# Allegro board SSOM_K1_Layout.brd (continued)
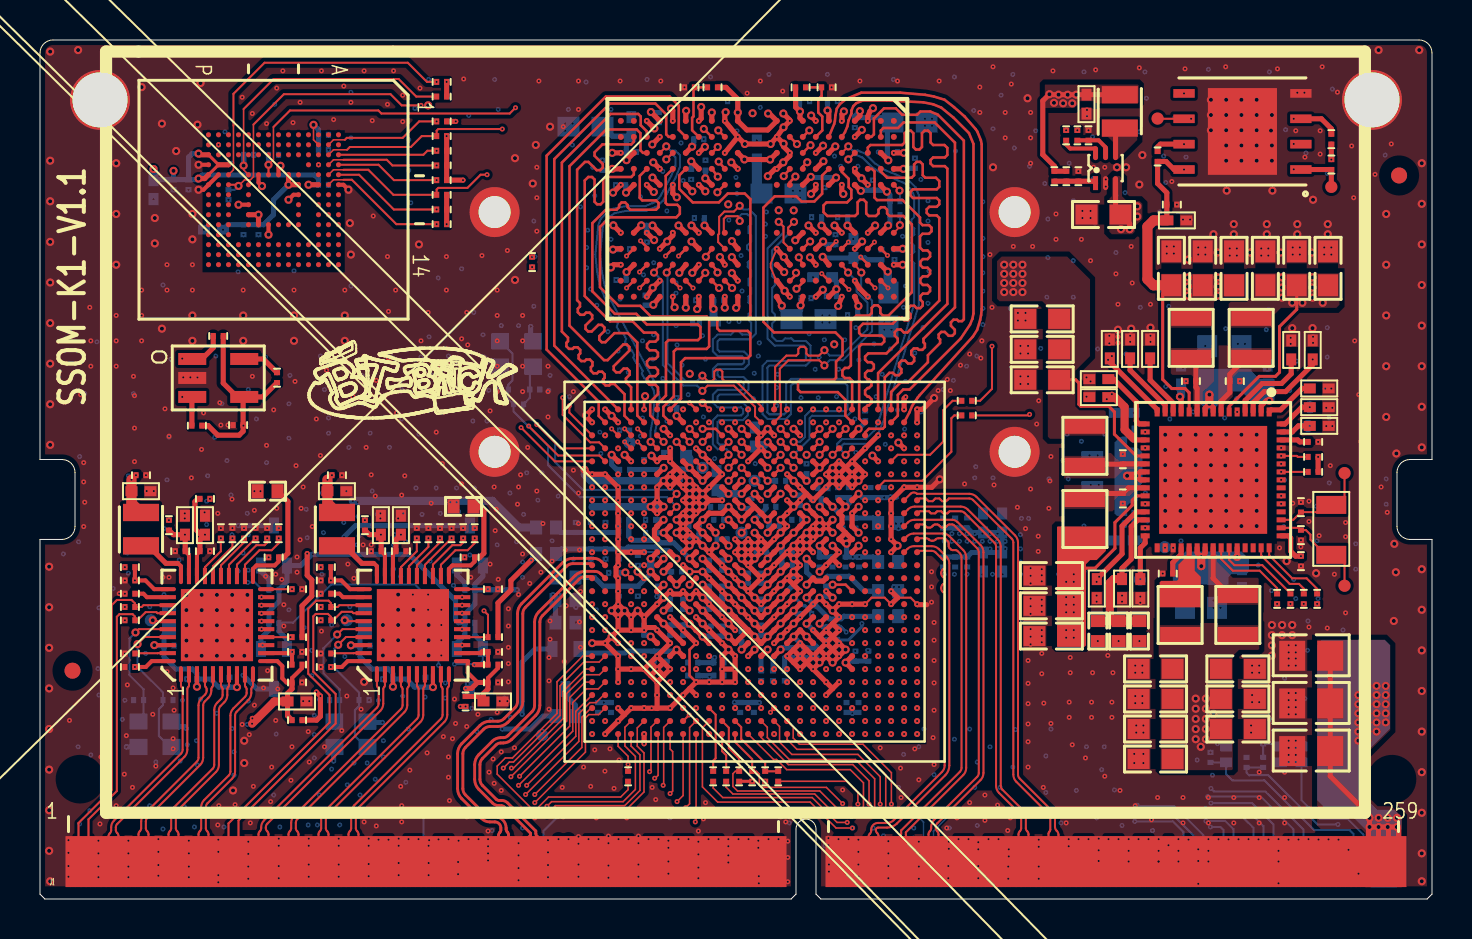
[diagram p0: board, top side]
## Routing (per net, layer and track width the routed paths; a pad name or vN(x,y) marks a point on that pad's centre or on a via; arc(x,y) is an arc through that point) (continued)
DDR_CKE0_A: length 27.8
  TOP w0.127: U1.D18 v5(38.98,22.88) ; U6.J4 v5(37.19,36.19)
  L6 w0.127: v5(38.98,22.88) 38.69,22.88 38.56,23.01 38.56,24.07 40.15,25.66 41.24,25.66 44.12,28.54 44.12,28.82 44.24,28.95 44.44,28.95 44.57,29.07 44.57,29.25 44.44,29.38 44.24,29.38 44.12,29.5 44.12,29.68 44.24,29.81 44.44,29.81 44.57,29.94 44.57,30.11 44.44,30.24 44.24,30.24 44.12,30.37 44.12,30.55 44.24,30.67 44.44,30.67 44.57,30.8 44.57,30.98 44.44,31.1 44.24,31.1 44.12,31.23 44.12,31.41 44.24,31.54 44.44,31.54 44.57,31.66 44.57,31.84 44.44,31.97 44.24,31.97 44.12,32.09 44.12,32.27 44.24,32.4 44.44,32.4 44.57,32.53 44.57,32.71 44.44,32.83 44.24,32.83 44.12,32.96 44.12,33.14 44.24,33.26 44.44,33.26 44.57,33.39 44.57,33.57 44.44,33.7 44.24,33.7 44.12,33.82 44.12,34.01 43.99,34.13 38.56,34.13 37.78,34.91 37.09,34.91 36.97,35.04 36.97,35.97 v5(37.19,36.19)
DDR_CKE0_B: length 25.3
  TOP w0.127: U1.C10 33.46,23.21 v5(33.13,22.88) ; U6.P4 v5(33.94,36.91)
  L6 w0.076: v5(33.13,22.88) 32.8,23.21 32.8,23.71 31.82,24.69
  L6 w0.127: v5(33.94,36.91) 33.39,36.91 32.24,35.76 32.01,35.76 31.71,36.05 31.47,36.05 31.17,35.76 27.51,35.76 26.5,34.74 26.5,27.92 28.47,25.95 30.41,25.95 31.67,24.69 31.82,24.69
DDR_CKE1_A: length 27.6
  TOP w0.127: v5(37.77,36.16) 37.49,35.88 U6.J5 ; U1.C18 v5(38.98,23.53)
  L6 w0.127: v5(38.98,23.53) 38.98,23.94 40.32,25.29 41.41,25.29 41.69,25.57 41.87,25.57 42.02,25.42 42.2,25.42 42.32,25.54 42.32,25.72 42.17,25.87 42.17,26.05 42.3,26.18 42.48,26.18 42.63,26.03 42.81,26.03 42.94,26.15 42.94,26.33 42.78,26.48 42.78,26.66 42.91,26.79 43.09,26.79 43.24,26.64 43.42,26.64 43.55,26.77 43.55,26.94 43.4,27.1 43.4,27.27 43.52,27.4 43.7,27.4 43.85,27.25 44.03,27.25 44.16,27.38 44.16,27.56 44.01,27.71 44.01,27.89 44.13,28.01 44.31,28.01 44.46,27.86 44.64,27.86 44.77,27.99 44.77,28.17 44.62,28.32 44.62,28.5 44.95,28.83 44.95,34.21 44.64,34.52 39.72,34.52 39.6,34.64 39.6,35.16 39.47,35.28 39.29,35.28 39.16,35.16 39.16,34.64 39.04,34.52 38.68,34.52 37.77,35.43 v5(37.77,36.16)
DDR_CKE1_B: length 25.4
  TOP w0.127: v5(33.13,23.53) 33.78,23.53 U1.C11 ; U6.P5 v5(33.87,35.38)
  L6 w0.076: v5(33.13,23.53) 33.13,23.72 32.01,24.84
  L6 w0.127: 32.01,24.84 30.54,26.32 28.72,26.32 26.88,28.16 26.88,33.88 27.51,34.52 27.99,34.52 28.12,34.64 28.12,34.76 28.25,34.89 28.42,34.89 28.55,34.76 28.55,34.64 28.68,34.52 29.35,34.52 29.47,34.64 29.47,34.75 29.6,34.87 29.78,34.87 29.91,34.75 29.91,34.64 30.03,34.52 30.21,34.52 30.34,34.64 30.34,34.75 30.46,34.87 30.64,34.87 30.77,34.75 30.77,34.64 30.9,34.52 31.07,34.52 31.2,34.64 31.2,34.75 31.33,34.87 31.51,34.87 31.63,34.75 31.63,34.64 31.76,34.52 32.27,34.52 32.4,34.64 32.4,34.73 32.52,34.86 32.7,34.86 32.83,34.73 32.83,34.64 32.95,34.52 33.11,34.52 33.87,35.27 v5(33.87,35.38)
DDR_CS0_A: length 28
  TOP w0.127: U1.E16 v5(37.68,21.58) ; v5(38.36,36.88) 38.14,36.66 U6.H4
  L6 w0.076: 40.82,24.86 40.48,24.86 39.3,23.68 39.3,22.74 39.13,22.56 38.76,22.56 38.65,22.45 38.65,22.06 38.17,21.58 v5(37.68,21.58)
  L6 w0.127: v5(38.36,36.88) 38.55,36.88 38.93,36.5 38.93,35.85 39.06,35.72 40.4,35.72 40.61,35.52 40.61,35.05 40.73,34.92 41.37,34.92 41.5,35.05 41.5,35.37 41.63,35.5 41.8,35.5 41.93,35.37 41.93,35.05 42.06,34.92 45.06,34.92 45.33,34.66 45.33,28.01 42.18,24.86 40.82,24.86
DDR_CS0_B: length 26.3
  TOP w0.127: U1.F12 v5(34.43,20.93) ; U6.R4 v5(33.89,36.16)
  L6 w0.076: v5(34.43,20.93) 33.56,21.81 33.56,23.61 32.45,24.72
  L6 w0.127: 32.45,24.72 32.33,24.84 32.33,25.06 30.69,26.7 28.99,26.7 27.26,28.43 27.26,33.34 28.03,34.11 33.19,34.11 34.33,35.25 34.33,35.71 v5(33.89,36.16)
DDR_CS1_A: length 27.3
  TOP w0.127: U1.C20 v5(40.28,23.53) ; U6.H3 v5(38.52,37.73)
  L6 w0.127: v5(38.52,37.73) 38.9,38.11 39.36,38.11 39.49,38.24 39.49,38.3 39.61,38.42 39.79,38.42 39.92,38.3 39.92,38.28 40.05,38.15 41.89,38.15 42.06,37.98 42.06,37.65 42.18,37.52 42.36,37.52 42.49,37.65 42.49,37.98 42.61,38.11 43.25,38.11 44,37.36 44,37.18 43.71,36.9 43.71,36.72 43.84,36.59 44.02,36.59 44.3,36.88 44.48,36.88 46.18,35.18 46.18,27.74 42.34,23.9 40.65,23.9 v5(40.28,23.53)
DDR_CS1_B: length 26.9
  TOP w0.127: U1.C8 v5(32.48,22.88) ; U6.R3 v5(33.89,37.64)
  L6 w0.076: v5(32.48,22.88) 32.48,22.9 31.87,23.31 31.39,23.79 31.21,23.91
  L6 w0.127: v5(33.89,37.64) 33.68,37.85 33.47,37.99 33.26,38.08 32.97,38.14 28.53,38.14 25.66,35.26 25.66,27.43 27.86,25.23 29.47,25.23 30.49,24.21 31.21,23.91
DDR_DMI0_A: length 23
  TOP w0.127: U1.A23 41.91,26.33 45.37,29.79 45.37,36.56 45.24,36.69 44.66,36.69 44.53,36.81 44.53,36.99 44.66,37.12 45.24,37.12 45.37,37.24 45.37,37.6 45.22,37.74 44.66,37.74 44.53,37.87 44.53,38.33 44.4,38.46 44.22,38.46 44.1,38.33 44.1,37.64 43.97,37.51 43.79,37.51 43.67,37.64 43.67,38.33 43.54,38.46 43.36,38.46 43.23,38.33 43.23,37.87 43.11,37.74 41.52,37.74 41.39,37.61 U6.C3
DDR_DMI0_B: length 22.2
  TOP w0.127: U6.Y3 30.15,37.35 30.02,37.48 30.02,38.33 29.84,38.52 28.31,38.52 26.47,36.68 26.47,28.7 28.2,26.97 28.38,26.97 29.16,27.76 29.34,27.76 29.47,27.63 29.47,27.45 28.69,26.67 28.69,26.49 28.81,26.36 28.99,26.36 29.18,26.55 29.36,26.55 29.48,26.42 29.48,26.24 29.3,26.06 29.3,25.88 29.56,25.62 U1.A4
DDR_DMI1_A: length 14.6
  TOP w0.127: v8(41.03,32.13) 41.39,31.78 U6.C10
  L3 w0.127: v8(38.66,23.86) 38.66,23.88 39.02,24.25 39.02,25.34 42.88,29.19 42.88,30.89 42.75,31.01 41.98,31.01 41.26,31.73 39.98,31.73 39.86,31.86 39.86,32.29 40,32.43 40.89,32.43 41.03,32.29 v8(41.03,32.13)
DDR_DMI1_B: length 14.6
  TOP w0.127: U6.Y10 v8(29.98,31.39)
  L3 w0.127: v8(33.46,23.86) 32.77,24.55 32.77,25.26 32.75,25.27 32.75,25.77 32.62,25.9 31.55,25.9 28.53,28.92 28.53,30.93 28.95,31.34 28.95,31.62 29.1,31.77 29.46,31.77 29.92,32.23 30.66,32.23 30.79,32.1 30.79,31.86 30.65,31.72 30.1,31.72 29.98,31.59 v8(29.98,31.39)
DDR_DQ_A0: length 23.1
  TOP w0.127: U1.C22 41.26,23.35 41.45,23.54 42.14,23.54 42.24,23.64 42.24,26.11 42.47,26.34 42.65,26.34 42.76,26.22 42.94,26.22 43.07,26.35 43.07,26.53 42.95,26.64 42.95,26.82 43.08,26.95 43.26,26.95 43.4,26.8 43.58,26.8 43.71,26.93 43.71,27.11 43.56,27.25 43.56,27.43 43.69,27.56 43.87,27.56 43.94,27.49 44.12,27.49 44.24,27.62 44.24,27.79 44.17,27.86 44.17,28.04 45.75,29.62 45.75,37.86 44.74,38.87 43.18,38.87 42.9,38.59 42.17,38.59 42.04,38.47 U6.B2
DDR_DQ_A1: length 23
  TOP w0.127: U1.A24 42.56,25.38 43.04,25.86 43.39,25.86 44.4,26.87 44.4,27.22 45.01,27.83 45.01,28.01 44.94,28.08 44.94,28.26 45.06,28.39 45.24,28.39 45.44,28.19 45.61,28.19 45.74,28.32 45.74,28.5 45.55,28.69 45.55,28.87 45.67,29 45.85,29 45.92,28.93 46.1,28.93 46.19,29.02 46.19,37.96 44.89,39.26 44.51,39.42 44.02,39.42 43.86,39.25 43.11,39.25 42.79,39.58 42.2,39.58 41.69,39.07 41.69,38.28 41.57,38.15 U6.C2
DDR_DQ_A2: length 24.4
  TOP w0.127: U6.E2 40.25,38.38 40.37,38.68 40.43,38.98 40.57,39.32 40.57,39.46 40.67,39.69 40.81,39.83 41.14,39.97 42.34,39.97 44.17,39.88 44.66,39.78 45.06,39.61 45.68,39.11 46.45,38.34 46.67,37.8 46.67,29.31 46.62,29.04 46.5,28.75 46.04,28.06 43.48,25.5 43.16,25.5 42.89,25.23 42.89,24.19 U1.B24
DDR_DQ_A3: length 25.4
  TOP w0.127: U1.B25 43.47,24.35 43.6,24.68 43.89,25.1 43.99,25.22 46.65,28.16 46.86,28.49 47.01,28.98 47.05,29.23 47.08,29.52 47.08,37.78 47.04,37.99 46.86,38.42 46.79,38.54 46.23,39.17 45.7,39.64 45.23,40.01 44.69,40.17 44.25,40.25 43.02,40.36 41.07,40.36 40.31,40.05 39.99,39.79 39.84,39.56 39.77,39.22 39.74,38.93 39.71,38.8 U6.F2
DDR_DQ_A4: length 23.1
  TOP w0.127: U1.B21 40.27,24.2 40.27,24.99 39.89,25.37 38.03,25.37 37.9,25.5 37.9,25.86 38.03,25.99 39.7,25.99 39.8,26.09 39.8,26.9 40.13,27.22 40.13,28.01 39.77,28.36 36.7,28.36 36.17,28.89 36.17,34.61 36.74,35.17 37.82,35.17 38.07,34.92 38.72,34.92 39.11,35.3 39.11,36.21 U6.F4
DDR_DQ_A5: length 22.9
  TOP w0.127: U1.A21 40.61,25.95 40.48,26.08 40.25,26.08 40.12,26.2 40.12,26.46 40.25,26.58 40.42,26.58 40.54,26.71 40.54,28.92 40.82,29.2 41.46,29.2 41.59,29.33 41.59,29.59 41.71,29.72 41.89,29.72 42.02,29.59 42.02,29.33 42.14,29.2 42.42,29.2 43.59,30.37 43.59,33.77 43.17,34.19 42.48,34.19 42.36,34.32 42.36,34.5 42.23,34.63 42.05,34.63 41.92,34.5 41.92,34.32 41.8,34.19 41.44,34.19 41.31,34.32 41.31,34.87 41.19,35 41.01,35 40.88,34.87 40.88,34.32 40.75,34.19 39.37,34.19 39.18,34.38 39.18,34.72 39.32,34.87 40.35,34.87 40.57,35.08 40.57,35.5 40.43,35.63 40.43,36.05 40.09,36.4 U6.E4
DDR_DQ_A6: length 23.1
  TOP w0.127: U1.B22 41.15,23.86 40.96,24.05 40.96,27.65 41.08,27.77 42.08,27.77 42.21,27.9 42.21,28.08 42.08,28.2 41.08,28.2 40.96,28.33 40.96,28.6 41.15,28.79 42.63,28.79 42.92,29.08 43.1,29.08 43.22,28.97 43.4,28.97 43.53,29.09 43.53,29.27 43.41,29.39 43.41,29.57 43.53,29.69 43.71,29.69 43.83,29.58 44.01,29.58 44.14,29.7 44.14,29.88 44.02,30 44.02,30.18 44.14,30.3 44.38,30.3 44.5,30.43 44.5,30.61 44.38,30.74 44.14,30.74 44.02,30.86 44.02,31.04 44.14,31.17 44.38,31.17 44.5,31.29 44.5,31.47 44.38,31.6 44.14,31.6 44.02,31.73 44.02,31.91 44.14,32.03 44.38,32.03 44.5,32.16 44.5,32.34 44.38,32.46 44.14,32.46 44,32.61 44,33.17 44.13,33.3 44.45,33.3 44.58,33.42 44.58,33.6 44.45,33.73 44.13,33.73 44,33.86 44,34.12 43.13,34.98 41.85,34.98 41.72,35.11 41.72,36.42 41.6,36.55 U6.C4
DDR_DQ_A7: length 23.5
  TOP w0.127: U1.A22 41.26,24.59 41.38,24.71 41.45,24.71 41.57,24.84 41.57,25.02 41.45,25.14 41.38,25.14 41.26,25.27 41.26,25.45 41.38,25.58 41.45,25.58 41.57,25.7 41.57,25.88 41.45,26.01 41.38,26.01 41.26,26.13 41.26,26.31 41.38,26.44 41.57,26.44 41.69,26.57 41.69,26.74 41.57,26.87 41.38,26.87 41.26,27 41.26,27.15 41.41,27.31 42.32,27.31 42.89,27.87 42.89,28.05 42.74,28.2 42.74,28.38 42.87,28.51 43.04,28.51 43.19,28.36 43.37,28.36 44.96,29.95 44.96,34.09 44.84,34.22 44.46,34.22 44.34,34.34 44.34,34.52 44.46,34.65 44.84,34.65 44.96,34.78 44.96,34.96 44.84,35.09 43.65,35.09 43.52,35.22 43.52,35.4 43.65,35.52 44.84,35.52 44.96,35.65 44.96,35.93 44.8,36.1 44.26,36.1 44.14,36.23 44.14,36.77 44.01,36.9 43.83,36.9 43.7,36.77 43.7,36.23 43.58,36.1 42.35,36.1 42.04,36.42 U6.B4
DDR_DQ_A8: length 14.5
  TOP w0.127: U6.B11 v8(42.4,30.59)
  L3 w0.127: v8(38.66,24.51) 38.71,24.56 38.71,25.57 40.39,27.24 40.39,27.42 40.19,27.62 40.19,27.8 40.31,27.93 40.49,27.93 40.69,27.73 40.87,27.73 41,27.86 41,28.03 40.05,28.98 40.05,29.16 40.18,29.29 40.36,29.29 41.3,28.34 41.48,28.34 41.61,28.47 41.61,28.65 41.12,29.13 41.12,29.31 41.25,29.44 41.43,29.44 41.91,28.95 42.09,28.95 42.4,29.26 42.4,29.54 42.27,29.66 41.81,29.66 41.68,29.79 41.68,29.97 41.81,30.09 42.27,30.09 42.4,30.22 v8(42.4,30.59)
DDR_DQ_A9: length 14.5
  TOP w0.127: U6.C11 v8(41.75,30.59)
  L3 w0.127: v8(38.01,24.51) 38.01,25.12 37.81,25.31 37.81,25.51 37.69,25.64 37.29,25.64 37.16,25.76 37.16,25.94 37.29,26.07 37.89,26.07 38.02,26.2 38.02,26.37 37.89,26.5 37.29,26.5 37.16,26.63 37.16,26.81 37.29,26.93 37.82,26.93 37.94,27.06 37.94,27.24 37.82,27.36 37.2,27.36 37.07,27.49 37.07,27.67 37.2,27.8 37.81,27.8 38.45,28.44 38.45,30.73 38.63,30.91 41.43,30.91 v8(41.75,30.59)
DDR_DQ_A10: length 14.6
  TOP w0.127: U6.E11 40.09,30.87 v8(40.44,30.51)
  L3 w0.127: v8(40.44,30.51) 40.98,30.51 41.11,30.39 41.11,30.19 40.98,30.06 38.98,30.06 38.85,29.94 38.85,29.67 38.98,29.54 39.41,29.54 39.54,29.41 39.54,29.23 39.41,29.11 38.98,29.11 38.85,28.98 38.85,28.8 38.98,28.68 39.78,28.68 39.9,28.55 39.9,28.37 39.78,28.24 39.04,28.24 38.66,27.87 38.43,27.87 38.31,27.74 38.31,27.56 38.43,27.43 38.66,27.43 38.79,27.31 38.79,27.13 38.66,27 38.43,27 38.31,26.88 38.31,26.7 38.43,26.57 38.66,26.57 38.79,26.44 38.79,26.22 38.28,25.71 38.28,23.99 38.15,23.86 v8(38.01,23.86)
DDR_DQ_A11: length 14.8
  TOP w0.127: v8(39.09,31.3) U6.F11
  L3 w0.127: v8(37.36,23.86) 37.67,24.17 37.67,24.77 36.68,25.77 36.68,28.44 36.8,28.56 37.88,28.56 38.01,28.69 38.01,28.87 37.88,28.99 36.8,28.99 36.68,29.12 36.68,31.63 36.8,31.76 39.39,31.76 39.52,31.63 39.52,31.46 39.36,31.3 v8(39.09,31.3)
DDR_DQ_A12: length 15
  TOP w0.127: U6.F9 v8(39.81,32.91)
  L3 w0.127: v8(37.36,24.51) 36.86,24.51 36.26,25.11 36.26,33.16 36.45,33.35 36.68,33.35 36.81,33.22 36.81,32.78 36.93,32.65 37.11,32.65 37.24,32.78 37.24,33.22 37.36,33.35 39.68,33.35 39.81,33.22 v8(39.81,32.91)
DDR_DQ_A13: length 15.6
  TOP w0.127: v8(40.42,32.88) 40.09,32.55 U6.E9
  L3 w0.127: v8(39.96,23.86) 44.59,28.5 44.59,32.34 43.63,33.3 40.84,33.3 v8(40.42,32.88)
DDR_DQ_A14: length 14.8
  TOP w0.127: v8(41.72,32.88) 41.39,32.55 U6.C9
  L3 w0.127: v8(41.72,32.88) 41.55,32.71 41.55,32.48 41.68,32.35 41.9,32.35 42.5,32.95 43.41,32.95 44.17,32.2 44.17,28.79 40.23,24.85 39.76,24.85 39.64,24.73 39.64,24.2 v8(39.31,23.86)
DDR_DQ_A15: length 14.5
  TOP w0.127: U6.B9 42.04,32.55 v8(42.37,32.22)
  L3 w0.127: v8(42.37,32.22) 42.45,32.14 43.61,32.14 43.79,31.97 43.79,31.36 43.66,31.23 43.44,31.23 43.32,31.11 43.32,30.93 43.44,30.8 43.66,30.8 43.79,30.67 43.79,30.5 43.66,30.37 43.44,30.37 43.32,30.24 43.32,30.06 43.44,29.94 43.66,29.94 43.79,29.81 43.79,29.05 43.46,28.72 43.28,28.72 43.25,28.75 43.07,28.75 42.94,28.63 42.94,28.45 43.01,28.38 43.01,28.2 42.89,28.07 42.71,28.07 42.63,28.14 42.46,28.14 42.33,28.02 42.33,27.84 42.36,27.8 42.36,27.63 42.23,27.5 42.06,27.5 42.02,27.53 41.84,27.53 41.72,27.4 41.72,27.23 41.75,27.19 41.75,27.01 41.62,26.89 41.44,26.89 41.41,26.92 41.23,26.92 41.11,26.79 41.11,26.61 41.14,26.58 41.14,26.4 41.01,26.28 40.83,26.28 40.8,26.31 40.62,26.31 40.5,26.18 40.5,26 40.53,25.97 40.53,25.79 40.06,25.32 39.52,25.32 39.31,25.11 v8(39.31,24.51)
DDR_DQ_B0: length 22.3
  TOP w0.127: U6.AA2 29.69,37.9 29.56,37.77 28.12,37.77 27.73,37.38 27.73,37.2 28.14,36.79 28.14,36.61 28.01,36.48 27.83,36.48 27.42,36.89 27.25,36.89 26.86,36.5 26.86,29.98 27,29.83 27,29.66 26.89,29.55 26.89,29.37 27.02,29.24 27.2,29.24 27.3,29.35 27.48,29.35 27.61,29.22 27.61,29.04 27.28,28.71 27.28,28.54 27.41,28.41 27.59,28.41 27.91,28.74 28.09,28.74 28.22,28.61 28.22,28.43 27.96,28.18 27.96,28 28.09,27.87 28.27,27.87 28.72,28.33 29.4,28.33 29.87,27.86 29.87,24.2 U1.B5
DDR_DQ_B1: length 22.3
  TOP w0.127: U6.Y2 30.34,38.43 30.04,38.73 30.04,39.17 29.91,39.3 28.53,39.3 26.09,36.86 26.09,28.4 26.4,28.1 26.4,27.92 26.32,27.84 26.32,27.66 26.45,27.54 26.63,27.54 26.7,27.61 26.88,27.61 27.01,27.49 27.01,27.31 26.93,27.23 26.93,27.05 27.06,26.93 27.24,26.93 27.32,27 27.49,27 27.62,26.88 27.62,26.7 27.54,26.62 27.54,26.44 27.67,26.32 27.85,26.32 27.93,26.39 28.11,26.39 28.23,26.27 28.23,26.09 28.16,26.01 28.16,25.83 28.28,25.7 28.46,25.7 28.54,25.78 28.72,25.78 29.23,25.27 29.23,24.19 U1.B4
DDR_DQ_B2: length 22.2
  TOP w0.127: U1.A3 25.71,27.7 25.71,37.03 28.49,39.82 30.77,39.82 31.31,39.28 31.31,38.28 31.44,38.15 U6.V2
DDR_DQ_B3: length 24.3
  TOP w0.127: U6.U2 31.94,38.5 31.94,39.71 31.49,40.17 28.29,40.17 25.33,37.21 25.33,27.5 27.94,24.9 27.94,24.18 U1.B2
DDR_DQ_B4: length 22.3
  TOP w0.127: U1.A7 32.05,25.05 32.05,26.87 32.26,27.08 35.39,27.08 35.52,27.2 35.52,28.31 35.39,28.44 33.99,28.44 33.86,28.56 33.86,28.93 33.99,29.06 35.39,29.06 35.52,29.19 35.52,35.03 35.24,35.31 34.39,35.31 33.94,34.87 32.64,34.87 31.96,35.54 31.96,36.22 U6.U4
DDR_DQ_B5: length 23.5
  TOP w0.127: U1.B7 31.17,24.2 31.17,24.64 31.69,25.16 31.69,27.41 31.82,27.54 33.33,27.54 33.46,27.66 33.46,29.03 33.33,29.16 30.54,29.16 30.02,29.69 28.94,29.69 28,30.63 28,33.64 28.48,34.12 31.82,34.12 31.99,34.3 31.99,34.62 31.86,34.75 31.38,34.75 31.29,34.84 31.29,36.19 U6.V4
DDR_DQ_B6: length 22.4
  TOP w0.127: U1.A6 30.86,24.76 31.3,25.2 31.3,27.85 31.43,27.98 32.9,27.98 33.02,28.1 33.02,28.63 32.9,28.76 30.34,28.76 29.81,29.29 28.75,29.29 27.62,30.42 27.62,33.83 28.29,34.5 28.83,34.5 28.95,34.63 28.95,34.74 29.08,34.87 29.26,34.87 29.39,34.74 29.39,34.63 29.51,34.5 30.8,34.5 30.93,34.63 30.93,34.84 30.8,34.97 30.11,34.97 29.99,35.1 29.99,36.2 U6.Y4
DDR_DQ_B7: length 22.6
  TOP w0.127: U1.B6 30.51,24.2 30.51,24.89 30.9,25.27 30.9,25.61 30.77,25.74 30.48,25.74 30.35,25.87 30.35,26.05 30.48,26.17 30.77,26.17 30.9,26.3 30.9,26.48 30.77,26.6 30.48,26.6 30.35,26.73 30.35,26.91 30.48,27.04 30.77,27.04 30.9,27.16 30.9,27.34 30.77,27.47 30.48,27.47 30.35,27.59 30.35,27.77 30.48,27.9 30.77,27.9 30.9,28.03 30.9,28.23 30.77,28.35 30.19,28.35 29.63,28.91 28.51,28.91 27.24,30.18 27.24,35.97 27.41,36.14 27.6,36.14 27.73,36.01 27.73,34.9 27.86,34.77 28.03,34.77 28.16,34.9 28.16,36.01 28.29,36.14 29.56,36.14 29.69,36.27 U6.AA4
DDR_DQ_B8: length 14.7
  TOP w0.127: U6.AA11 v8(29.33,30.59)
  L3 w0.127: v8(34.11,23.86) 33.96,23.86 33.58,24.24 33.58,26.59 33.45,26.72 33.06,26.72 32.93,26.84 32.93,26.85 32.81,26.97 32.63,26.97 32.5,26.85 32.5,26.84 32.38,26.72 32.13,26.72 32.04,26.63 32.04,26.41 31.91,26.28 31.71,26.28 30.87,27.12 30.87,27.34 31.06,27.52 31.06,27.7 30.93,27.83 30.75,27.83 30.58,27.66 30.4,27.66 30.27,27.78 30.27,28.15 30.14,28.27 29.79,28.27 29.67,28.4 29.67,28.58 29.82,28.73 29.82,28.91 29.69,29.04 29.51,29.04 29.34,28.87 29.16,28.87 28.85,29.18 28.85,30.81 29.06,31.02 29.49,31.02 29.62,30.89 29.62,30.71 29.49,30.59 v8(29.33,30.59)
DDR_DQ_B9: length 15.2
  TOP w0.127: U6.Y11 v8(29.98,30.59)
  L3 w0.127: v8(29.98,30.59) 29.98,30.86 30.1,30.99 30.93,30.99 31.06,30.86 31.06,30.32 30.89,30.15 29.38,30.15 29.25,30.02 29.25,29.61 29.38,29.48 30.07,29.48 30.2,29.35 30.2,28.74 30.33,28.61 30.5,28.61 30.63,28.74 30.63,29.21 30.76,29.34 30.92,29.34 31.34,28.93 31.34,27.96 31.93,27.36 33.87,27.36 33.99,27.24 33.99,24.62 v8(34.11,24.51)
DDR_DQ_B10: length 14.8
  TOP w0.127: U6.V11 v8(32,30.59)
  L3 w0.127: v8(32,30.59) 32,30.83 31.88,30.95 31.48,30.95 31.36,30.83 31.36,29.45 31.74,29.07 31.74,28.16 31.86,28.04 32.04,28.04 32.17,28.16 32.17,28.98 32.3,29.1 33.23,29.1 33.42,28.92 33.42,28.74 32.76,28.08 32.76,27.9 32.88,27.77 33.06,27.77 33.72,28.43 33.9,28.43 34.42,27.91 34.42,24.1 34.66,23.86 v8(34.76,23.86)
DDR_DQ_B11: length 14.9
  TOP w0.127: U6.U11 v8(32.65,30.59)
  L3 w0.127: v8(32.65,30.59) 32.65,30.84 32.78,30.97 33.03,30.97 33.16,30.85 33.16,30.09 33.29,29.97 33.47,29.97 33.59,30.09 33.59,30.85 33.72,30.97 34.86,30.97 35.22,30.61 35.22,29.14 35.1,29.01 34.33,29.01 34.21,28.89 34.21,28.71 34.33,28.58 35.1,28.58 35.22,28.45 35.22,28.28 35.1,28.15 34.99,28.15 34.86,28.02 34.86,27.84 34.99,27.72 35.1,27.72 35.22,27.59 35.22,27.41 35.1,27.29 34.99,27.29 34.86,27.16 34.86,26.98 34.99,26.85 35.1,26.85 35.22,26.73 35.22,26.55 35.1,26.42 34.99,26.42 34.86,26.3 34.86,26.12 34.99,25.99 35.1,25.99 35.22,25.86 35.22,25.68 35.1,25.56 34.99,25.56 34.86,25.43 34.86,25.25 34.99,25.13 35.1,25.13 35.22,25 35.22,24.69 v8(35.41,24.51)
DDR_DQ_B12: length 14.8
  TOP w0.127: U6.U9 v8(31.93,32.19)
  L3 w0.127: v8(31.93,32.19) 31.93,32.42 32.05,32.55 33.52,32.55 33.64,32.67 33.64,33.2 33.77,33.32 33.95,33.32 34.07,33.2 34.07,32.67 34.2,32.55 34.97,32.55 35.64,31.87 35.64,24.92 35.79,24.77 35.79,24.44 35.54,24.18 35.08,24.18 v8(34.76,24.51)
DDR_DQ_B13: length 15.3
  TOP w0.127: U6.V9 v8(31.28,32.19)
  L3 w0.127: v8(31.28,32.19) 30.91,32.55 29.85,32.55 29.14,33.26 28.01,33.26 27.75,33 27.75,28.27 31.35,24.67 31.99,24.67 v8(32.16,24.51)
DDR_DQ_B14: length 16.4
  TOP w0.127: U6.Y9 30.34,32.63 v8(30.03,32.94)
  L3 w0.127: v8(30.03,32.94) 28.88,34.09 28.81,34.12 28.52,34.12 28.18,33.98 27.37,33.16 27.37,28.11 28.72,26.47 29.6,25.28 30.02,24.86 30.61,24.47 30.62,24.46 31.57,23.83 31.72,23.78 31.86,23.78 32.2,23.85 32.32,23.9 32.77,23.9 v8(32.81,23.86)
DDR_DQ_B15: length 14.3
  TOP w0.127: U6.AA9 v8(29.33,32.19) ; U1.A9 v8(32.48,24.83)
  L3 w0.127: v8(29.33,32.19) 29.46,32.32 29.46,32.52 29.09,32.89 28.25,32.89 28.13,32.78 28.13,28.43 28.24,28.32 28.58,28.32 28.72,28.18 28.72,27.84 28.85,27.71 29.19,27.71 29.33,27.57 29.33,27.23 29.46,27.09 29.81,27.09 29.94,26.96 29.94,26.62 30.08,26.48 30.42,26.48 30.55,26.36 30.55,26.01 30.69,25.87 31.04,25.87 31.16,25.74 31.16,25.4 31.42,25.14 31.64,25.14 31.79,25.29 32.04,25.29 32.19,25.14 32.35,25.14 32.48,25.02 v8(32.48,24.83)
DDR_DQS0_C_A: length 20.2
  TOP w0.102: U6.E3 v5(40.41,37.67) ; U1.D21 40.61,22.56 v5(40.28,22.23)
  BOTTOM w0.102: v5(40.41,37.67) 40.62,37.47 40.89,37.47 41.25,37.32 41.73,36.83 42.24,36.49 43.38,36.02 43.77,35.63 43.94,35.22 43.94,29.75 42.2,24 41.93,23.34 41.92,23.33 41.38,22.79 40.19,22.79 40.08,22.68 40.08,22.43 v5(40.28,22.23)
DDR_DQS0_C_B: length 19.4
  TOP w0.102: U1.D6 v5(30.53,22.88) ; U6.V3 v5(31.32,37.02)
  BOTTOM w0.102: v5(31.32,37.02) 31.52,37.23 31.67,37.23 31.77,37.13 31.77,36.7 31.56,36.2 31.03,35.21 30.96,35.1 30.74,34.88 30.62,34.83 30.27,34.68 29.31,34.68 28.64,34.55 28.34,34.35 28.06,34.07 28.01,33.99 27.91,33.72 27.77,32.25 27.85,31.44 28,30.67 28.34,29.86 28.48,29.59 28.43,29.41 28.57,29.14 28.75,29.09 28.89,28.82 28.84,28.64 28.98,28.37 29.16,28.32 29.31,28.04 29.25,27.87 29.42,27.54 29.57,27.5 29.71,27.24 29.66,27.1 29.81,26.83 29.95,26.78 30.14,26.44 30.09,26.3 30.22,26.06 30.39,26.01 30.69,25.45 30.74,25.09 30.63,23.96 30.53,23.45 v5(30.53,22.88)
DDR_DQS0_T_A: length 20.2
  TOP w0.102: U1.D20 39.95,22.56 v5(39.63,22.23) ; U6.D3 v5(40.42,37.02)
  BOTTOM w0.102: v5(39.63,22.23) 39.85,22.45 39.85,22.78 40.1,23.02 41.28,23.02 41.73,23.47 41.98,24.08 43.71,29.78 43.71,31.82 43.58,31.95 43.58,32.26 43.71,32.39 43.71,32.7 43.58,32.83 43.58,33.13 43.71,33.26 43.71,33.57 43.58,33.7 43.58,34.01 43.71,34.14 43.71,35.17 43.58,35.49 43.25,35.82 42.13,36.28 41.58,36.65 41.12,37.12 40.84,37.23 40.65,37.23 40.61,37.22 v5(40.42,37.02)
DDR_DQS0_T_B: length 19.4
  TOP w0.102: v5(31.31,37.67) 30.99,37.35 U6.W3 ; U1.C6 v5(31.18,22.88)
  BOTTOM w0.102: v5(31.18,22.88) 30.76,23.3 30.76,23.43 30.86,23.92 30.98,25.1 30.91,25.54 28.55,29.96 28.23,30.74 28.08,31.47 28,32.25 28.14,33.67 28.22,33.89 28.24,33.92 28.49,34.16 28.73,34.33 29.33,34.45 30.31,34.45 30.87,34.68 31.14,34.95 31.23,35.09 31.77,36.1 32,36.65 32,37.23 31.76,37.47 31.52,37.47 v5(31.31,37.67)
DDR_DQS1_C_A: length 12.1
  TOP w0.102: v5(39.22,27.47) 38.95,27.2 38.42,27.2 38.32,27.3 38.32,27.54 38.22,27.64 38.02,27.64 37.91,27.54 37.91,27.3 37.81,27.2 37.32,27.2 36.76,26.64 36.76,24.82 36.71,24.77 U1.A15 ; U6.E10 v5(40.4,31.36)
  BOTTOM w0.102: v5(39.22,27.47) 39.49,27.2 40.06,27.2 41.37,28.52 41.37,29.86 40.83,30.39 40.83,30.93 v5(40.4,31.36)
DDR_DQS1_C_B: length 11.9
  TOP w0.102: v5(33.12,26.2) 33.38,25.93 33.61,25.93 33.71,26.03 33.71,26.4 33.81,26.5 34.02,26.5 34.12,26.4 34.12,26.03 34.22,25.93 34.79,25.93 36.06,24.66 U1.A14 ; U6.V10 v5(31.34,31.36)
  BOTTOM w0.102: v5(31.34,31.36) 31.38,31.32 31.38,26.82 32.27,25.93 32.86,25.93 v5(33.12,26.2)
DDR_DQS1_T_A: length 12.1
  TOP w0.102: U1.B15 37.04,24.2 37.04,24.79 36.99,24.84 36.99,26.54 37.42,26.97 38.96,26.97 v5(39.22,26.71) ; U6.D10 v5(41.06,31.36)
  BOTTOM w0.102: v5(39.22,26.71) 39.48,26.97 40.15,26.97 41.6,28.42 41.6,29.95 41.06,30.49 v5(41.06,31.36)
DDR_DQS1_T_B: length 11.9
  TOP w0.102: v5(33.12,25.43) 33.38,25.7 34.69,25.7 35.75,24.64 35.75,24.16 U1.B14 ; U6.W10 v5(30.7,31.36)
  BOTTOM w0.102: v5(30.7,31.36) 31.14,30.92 31.14,26.73 32.17,25.7 32.86,25.7 v5(33.12,25.43)
DDR_LDO_CAP: length 0.8
  TOP w0.254: U1.F17 v5(38.33,20.93)
  BOTTOM w0.254: C4.2 38.33,20.94 v5(38.33,20.93)
DDR_ODT_A: length 3.6
  TOP w0.127: R78.2 R77.2 39.08,40.2 38.91,40.03 38.91,39.37 39.11,39.17 39.11,38.47 U6.G2
DDR_ODT_B: length 3.3
  TOP w0.127: U6.T2 32.61,38.48 32.61,39.1 32.67,39.17 32.67,40.58 R80.2 R79.2
DDR_RESET_N: length 17.9
  TOP w0.127: U6.T11 v5(33.27,31.34) ; U1.F13 v5(35.08,21.58)
  L6 w0.127: v5(33.27,31.34) 32.91,31.7 32.91,32.67 33.58,33.33 35.26,33.33 36,32.59 36,21.83 35.75,21.58 v5(35.08,21.58)
DLDO6_1V8: length 8.4
  TOP w0.254: C172.2 54.1,16.56 54.56,17.02 54.56,18.64 54.9,18.98 U5.28
  TOP w0.406: C172.2 53.67,16.01 53.49,15.83 53.49,14.02 53.6,13.91 ; 53.6,13.91 FB12.1 FB13.1 ; 53.6,13.91 FB11.1
DLDO7_1V8: length 3.2
  TOP w0.254: v1(55.02,16.01) 55.02,17.58 55.26,17.82 U5.30
  L3 w0.254: v1(55.02,16.01) v2(55.02,15.65)
  L6 w0.254: v2(55.02,15.65) 55,15.66 55,15.99 v4(54.86,16.13)
EMMC_CLK: length 61.4
  TOP w0.076: v5(9.93,35.69) 10.23,36 10.52,36 10.67,36.15 10.67,38.76
  TOP w0.102: 9.87,35.75 v5(9.93,35.69) 9.93,35.75 9.87,35.75 ; 9.87,35.75 U7.M6 ; v1(19.05,39.73) 18.08,39.73 17.53,40.28 12.19,40.28 10.67,38.76 ; R1.1 47,24.94 47.6,25.54 v1(47.6,27.67)
  L3 w0.102: v1(19.05,39.73) v5(19.41,39.73) ; v1(47.6,27.67) v2(47.85,27.92)
  L6 w0.102: v5(19.41,39.73) 19.56,39.57 21.13,39.57 21.56,40.01 46.95,40.01 50.8,36.15 50.8,29.85 49.05,28.09 48.02,28.09 v2(47.85,27.92)
  BOTTOM w0.102: v5(9.93,35.69) 9.73,35.5 R92.2
EMMC_CMD: length 69.3
  TOP w0.076: U7.M5 9.67,36.5 9.67,38.71
  TOP w0.102: 9.67,38.71 9.67,40.3 11.23,41.86 18.39,41.86 19.35,40.9 v1(19.83,40.9)
  L3 w0.102: v1(43.21,21.26) 42.32,22.14 v2(42.32,22.14) ; v2(19.83,40.31) v1(19.83,40.9)
  L6 w0.102: v2(19.83,40.31) 20.27,39.88 20.83,39.88 21.31,40.36 47.15,40.36 51.26,36.26 51.26,29.67 48.04,26.45 47.09,26.45 43.03,22.39 42.56,22.39 v2(42.32,22.14)
EMMC_D0: length 60
  TOP w0.102: v1(19.83,37.45) 19.37,37.45 19.17,37.25 U7.A3
  L3 w0.102: v1(19.83,37.45) 19.83,38.48 20.62,39.27 21.15,39.27 23.74,41.86 45.93,41.86 51.99,35.8 51.99,28.53 46.02,22.56 v1(43.86,22.56)
EMMC_D1: length 61.4
  TOP w0.102: v1(19.83,35.98) 17.7,35.98 16.93,36.75 U7.A4
  L3 w0.102: v1(19.83,35.98) 19.83,36.09 22,38.25 22,39.67 23.88,41.55 45.77,41.55 51.69,35.63 51.69,28.71 45.84,22.86 43.69,22.86 43.28,22.45 42.66,22.45 v1(42.56,22.56)